# Altium PCB Flatsat.PcbDoc (part 2 of 2)
Units mm, origin at the board's own origin, x right, y up, seen from the top; angles counter-clockwise.
Board outline 98.55 x 99.06 mm, 2 copper layers (Top Layer, Bottom Layer), stack 1.621 mm thick; 111 components, 53 nets, 436 pads, 170 vias.
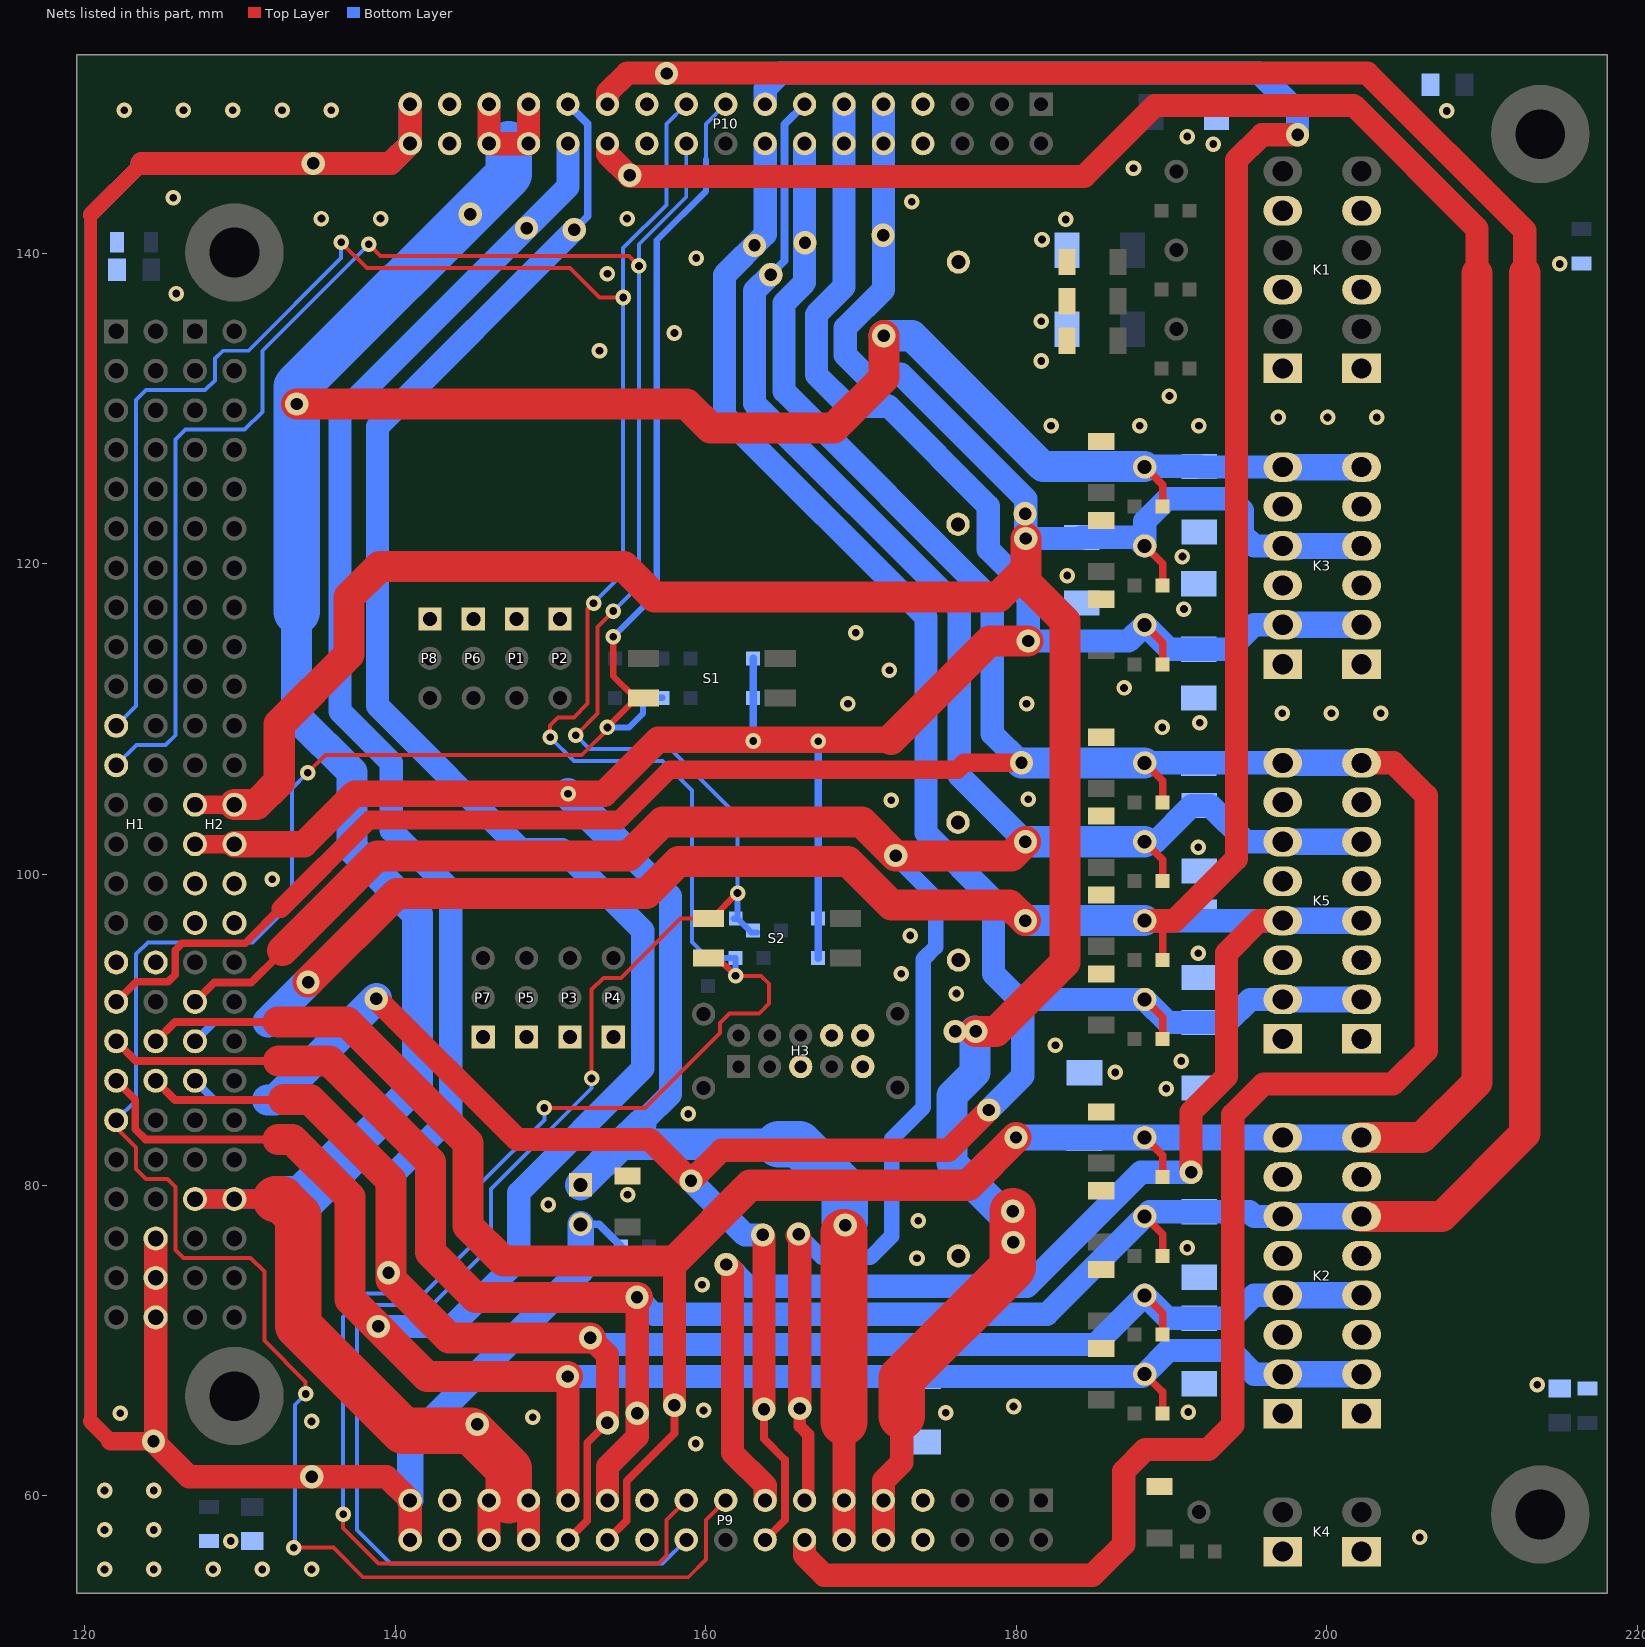
[diagram p2: the nets of this part, all layers, seen from the top]

## Via types
v1: diameter 1, hole 0.5, Top Layer to Bottom Layer, 114 vias
v2: diameter 1.5, hole 0.8, Top Layer to Bottom Layer, 55 vias
v3: diameter 1/1 (per signal layer), hole 0.5, Top Layer to Bottom Layer, 1 vias

## Nets (pads, with @x,y where several pads share a name; then routed paths per layer and width w, separated by ;. In a path a pad name is that pad's centre, name@x,y a point inside that pad or via, vN(x,y) a via of type N, cw(c..) or ccw(c..) an arc to the next point about the centre after c; other vN are vias at no path point) (continued)
PC-104_I2C-Bus_SDA: H1.41 P9.17 P10.17 R5.2 R10.1 S1.3 | length 170.4
  Top Layer w0.254: H1.41@122.035,84.175 122.035,83.705 123.317,82.423 123.317,81.026 123.952,80.391 125.349,80.391 125.857,79.883 125.857,75.819 126.365,75.311 130.683,75.311 131.572,74.422 131.572,69.977 134.239,67.31 v1(134.239,66.548) ; v1(133.477,56.642) 136.017,56.642 137.922,54.737 158.877,54.737 160.02,55.88 160.02,58.42 P9.17@161.29,59.69 ; v1(134.366,106.553) 135.509,107.696 152.019,107.696 153.67,109.347 v1(153.67,109.474)
  Top Layer w0.4: v1(153.67,109.474) S1.3@155.575,111.379 ; v1(154.051,115.316) 154.051,112.776 155.448,111.379 S1.3@155.575,111.379 ; S1.3@156.001,111.379 S1.3@155.575,111.379
  Bottom Layer w0.254: H1.41@122.035,84.175 123.317,85.457 123.317,94.869 124.079,95.631 130.81,95.631 133.35,98.171 133.35,105.537 v1(134.366,106.553) ; v1(133.477,56.642) 133.54,56.705 133.54,65.849 v1(134.239,66.548) ; 160.02,146.05 160.02,148.336 P10.17@161.29,149.606
  Bottom Layer w0.4: v1(153.67,109.474) 155.067,109.474 155.967,110.374 R5.2@155.967,111.379 R10.1@157.215,111.379 ; v1(154.051,115.316) 156.845,118.11 156.845,140.843 160.02,144.018 160.02,146.05
PC-104_I2C-Payload_SCL: H1.21 P9.19 P10.19 R8.2 R12.1 S2.3 | length 213.8
  Top Layer w0.254: v1(136.525,140.716) 138.176,139.065 151.257,139.065 153.162,137.16 v1(154.686,137.16) ; v1(136.652,58.801) 136.652,57.912 138.938,55.626 156.972,55.626 157.48,56.134 157.48,58.42 P9.19@158.75,59.69 ; v1(149.606,84.963) 156.083,84.963 160.909,89.789 160.909,90.424 161.544,91.059 163.449,91.059 164.084,91.694 164.084,92.964 163.576,93.472 v1(161.925,93.472) ; v1(149.987,108.839) 149.987,109.601 150.495,110.109 151.511,110.109 152.4,110.998 152.4,117.094 v1(152.781,117.475)
  Top Layer w0.4: S2.3@160.192,94.615 160.782,94.615 v1(161.925,93.472)
  Bottom Layer w0.254: H1.21@122.035,109.575 123.317,110.857 123.317,130.556 123.952,131.191 127.762,131.191 128.397,131.826 128.397,133.223 128.905,133.731 130.556,133.731 136.525,139.7 v1(136.525,140.716) ; v1(136.652,58.801) 136.652,71.501 138.176,73.025 141.859,73.025 145.542,76.708 145.542,80.137 149.606,84.201 v1(149.606,84.963) ; v1(149.987,108.839) 151.511,107.315 157.226,107.315 159.131,105.41 159.131,95.642 R8.2@160.147,94.626 ; v1(152.781,117.475) 154.686,119.38 v1(154.686,137.16) 154.686,140.335 157.48,143.129 157.48,148.336 P10.19@158.75,149.606
  Bottom Layer w0.4: R8.2@160.147,94.626 161.903,94.626 R12.1@161.914,94.615 161.925,94.604 v1(161.925,93.472)
PC-104_I2C-Payload_SDA: H1.23 P9.20 P10.20 R7.2 R11.1 S2.1 | length 201.7
  Top Layer w0.254: v1(138.303,140.589) 139.065,139.827 155.067,139.827 v1(155.702,139.192) ; v1(151.638,108.966) 153.035,110.363 153.035,115.951 v1(154.051,116.967) ; v1(152.654,86.868) 152.654,92.583 153.416,93.345 154.559,93.345 158.369,97.155 S2.1@160.192,97.155
  Top Layer w0.4: S2.1@160.192,97.155 160.379,97.155 162.03,98.806 v1(162.052,98.806)
  Bottom Layer w0.254: H1.23@122.035,107.035 123.331,108.331 125.222,108.331 125.857,108.966 125.857,128.016 126.492,128.651 130.302,128.651 131.445,129.794 131.445,133.731 v1(138.303,140.589) ; v1(151.638,108.966) 152.527,108.077 157.734,108.077 162.052,103.759 v1(162.052,98.806) ; v1(152.654,86.868) 152.654,86.233 146.177,79.756 146.177,76.073 142.367,72.263 138.557,72.263 137.541,71.247 137.541,57.785 139.7,55.626 157.226,55.626 P9.20@158.75,57.15 ; v1(154.051,116.967) 155.702,118.618 v1(155.702,139.192) 155.702,140.589 158.75,143.637 P10.20@158.75,147.066
  Bottom Layer w0.4: R7.2@161.809,97.155 R7.2@161.936,97.155 R7.2@162.052,97.155 ; v1(162.052,98.806) R7.2@162.052,97.155 ; R11.1@163.311,96.266 162.941,96.266 R7.2@162.052,97.155
PC-104_LCL_3V3: D1.K H2.27 H2.28 K3.2 P9.11 P9.12 P10.11 P10.12 P11.1 R1.1 R2.1 R3.1 R4.1 R14.1 TP11.1 | length 214.7
  Top Layer w0.5: TP11.1@188.276,116.078 189.43,114.924 R14.1@189.43,113.538
  Top Layer w1.2: H2.27@127.11,101.955 H2.28@129.65,101.955
  Top Layer w1.5: P9.12@168.91,57.15 P9.11@168.91,59.69 168.91,64.708
  Top Layer w1.7: H2.28@129.65,101.955 134.137,101.955 137.389,105.207 153.467,105.207 156.947,108.687 171.933,108.687
  Top Layer w2: 171.933,108.687 178.283,115.037 v2(180.772,115.037)
  Top Layer w3: 168.91,64.708 v2@168.91,76.962
  Bottom Layer w0.5: v1(163.057,108.596) R1.1@163.057,111.379 R2.1@163.057,113.919 ; R4.1@167.248,94.615 R3.1@167.248,97.155 v1(167.248,108.574)
  Bottom Layer w1.5: 155.067,101.27 157.734,98.603 157.734,85.852 156.083,84.201 155.829,84.201 ; P10.11@168.91,149.606 P10.12@168.91,147.066 168.91,137.846 167.132,136.068 167.132,132.182 169.164,130.15 171.78,130.15 178.206,123.723 178.206,120.955 180.746,118.415 180.746,117.678 180.772,117.653 v2(180.772,115.037) 187.235,115.037 TP11.1@188.276,116.078 189.848,114.506 D1.K@191.76,114.506 193.754,114.506 195.326,116.078 K3.2@197.166,116.078
  Bottom Layer w1.7: K3.2@197.166,116.078 K3.2@202.246,116.078
  Bottom Layer w2: v1(151.135,105.202) 155.067,101.27 ; P11.1@151.943,80.01 154.559,82.626 ; 155.829,83.896 154.559,82.626 ; 164.719,82.626 154.559,82.626
  Bottom Layer w3: 164.719,82.626 166.014,82.626 168.961,79.68 v2@168.961,77.673
  other v2: 168.986,77.419
PC-104_LCL_5V: D2.K H2.25 H2.26 K3.4 P9.9 P9.10 P10.9 P10.10 R15.1 TP10.1 | length 205
  Top Layer w0.5: TP10.1@188.276,121.158 189.43,120.004 R15.1@189.43,118.618
  Top Layer w1.2: H2.25@127.11,104.495 H2.26@129.65,104.495
  Top Layer w1.5: P9.10@171.45,57.15 P9.9@171.45,59.69 171.45,60.96 172.618,62.128 172.618,65.1
  Top Layer w2: H2.26@129.65,104.495 131.063,104.495 132.537,105.969 132.537,109.677 137.037,114.177 137.037,117.867 139.007,119.837 154.737,119.837 156.693,117.881 178.841,117.881 180.618,119.658 ; v2(177.394,89.891) 178.689,89.891 183.134,94.336 183.134,116.332 180.618,118.848 180.618,119.658 ; v2(180.618,121.639) 180.618,119.658
  Top Layer w3: 172.618,65.1 172.618,67.539 179.781,74.701 v2(179.781,78.308)
  Bottom Layer w1.5: P10.9@171.45,149.606 P10.10@171.45,147.066 171.45,137.668 168.986,135.204 168.986,133.457 170.211,132.232 172.568,132.232 180.618,124.182 v2(180.618,121.639) 184.147,121.639 D2.K@184.222,121.714 187.72,121.714 TP10.1@188.276,121.158 188.276,122.744 189.738,124.206 193.802,124.206 194.564,123.444 194.564,121.92 195.326,121.158 K3.4@197.166,121.158
  Bottom Layer w1.7: K3.4@197.166,121.158 K3.4@202.246,121.158
  Bottom Layer w2: v2@177.343,89.916 177.343,87.249 175.87,85.776 175.87,81.407 178.968,78.308 v2(179.781,78.308)
  other v2: 179.807,76.302 176.073,89.891 180.569,123.241 171.425,141.173
PC-104_LCL_CAMnadir_3V3: D11.K H2.37 K5.4 P9.15 P10.15 R24.1 TP13.1 | length 248.9
  Top Layer w0.5: 189.205,97.028 189.43,96.803 R24.1@189.43,94.488
  Top Layer w1.5: v2(161.315,74.879) 161.722,74.473 161.722,62.76 163.83,60.651 P9.15@163.83,59.69 ; TP13.1@188.276,97.028 189.205,97.028 190.195,97.028 194.183,101.016 194.183,145.999 195.834,147.65 v2(198.12,147.65) ; v2(191.262,80.823) 191.262,84.709 193.548,86.995 193.548,94.945 195.631,97.028 K5.4@197.166,97.028
  Top Layer w2: v2(134.391,93.066) 140.106,98.781 156.185,98.781 158.242,100.838 169.164,100.838 171.958,98.044 179.578,98.044 v2(180.594,97.028)
  Bottom Layer w0.5: H2.37@127.11,89.255 128.355,90.5 131.826,90.5
  Bottom Layer w1.5: v2(161.315,74.879) 162.712,73.482 180.696,73.482 188.036,80.823 v2(191.262,80.823) ; P10.15@163.83,149.606 163.83,150.622 164.821,151.613 195.656,151.613 198.12,149.149 v2(198.12,147.65) ; TP13.1@188.276,97.028 192.336,97.028 K5.4@197.166,97.028
  Bottom Layer w1.7: K5.4@197.166,97.028 K5.4@202.246,97.028
  Bottom Layer w2: 131.826,90.5 v2(134.391,93.066) ; v2(180.594,97.028) TP13.1@188.276,97.028
PC-104_LCL_CAMwing_3V3: D10.K H2.35 K5.6 P9.13 P10.13 R23.1 TP14.1 | length 193.6
  Top Layer w0.5: H2.35@127.11,91.795 128.355,93.04 130.734,93.04 132.499,94.805 ; TP14.1@188.276,102.108 189.43,100.954 R23.1@189.43,99.568
  Top Layer w0.8: v2(166.065,65.608) 166.065,64.465 166.599,63.932 166.599,59.919 P9.13@166.37,59.69
  Top Layer w1.5: v2(165.982,76.84) 165.887,76.745 166.065,76.567 v2(166.065,65.608)
  Top Layer w2: 132.74,95.098 138.836,101.194 155.042,101.194 157.226,103.378 170.053,103.378 172.237,101.194 179.68,101.194 v2(180.594,102.108)
  Bottom Layer w0.5: v2(164.186,138.633) 165.075,139.522 165.075,148.311 P10.13@166.37,149.606
  Bottom Layer w1: v2(165.982,76.84) 167.486,75.336 170.612,75.336 171.983,76.708 171.983,82.967 174.015,84.999 174.015,94.539 174.803,95.326 174.803,98.527 v2@172.009,101.321
  Bottom Layer w1.5: v2(164.186,138.633) 163.144,137.592 163.144,130.327 176.327,117.145 176.327,106.375 v2(180.594,102.108) ; TP14.1@188.276,102.108 188.976,102.108 191.31,104.442 D10.K@191.78,104.442 192.484,104.442 194.818,102.108 K5.6@197.166,102.108
  Bottom Layer w1.7: K5.6@197.166,102.108 K5.6@202.246,102.108
  Bottom Layer w2: v2(180.594,102.108) TP14.1@188.276,102.108
  other v2: 172.237,101.219
PC-104_LCL_SADSmain: D4.K H1.39 K2.2 P9.25 P10.25 R17.1 TP5.1 | length 208.8
  Top Layer w0.5: H1.39@122.035,86.715 123.266,85.484 123.266,83.591 123.927,82.931 132.461,82.931 ; TP5.1@188.276,67.818 189.43,66.664 R17.1@189.43,65.278
  Top Layer w1.5: P9.25@151.13,59.69 v2@151.13,67.742
  Top Layer w2: 132.461,82.931 133.375,82.931 137.084,79.223 137.084,72.644 142.062,67.666 v2(151.105,67.666)
  Bottom Layer w0.5: P10.25@151.13,149.606 152.4,148.336 152.4,142.392 v2(151.536,141.529)
  Bottom Layer w1.5: v2(138.913,70.891) 143.662,70.891 147.955,75.184 147.955,79.502 155.956,87.503 155.956,96.393 150.749,101.6 148.133,101.6 138.862,110.871 138.862,128.854 v2(151.536,141.529) ; v2(151.105,67.666) 188.124,67.666 TP5.1@188.276,67.818 189.8,69.342 193.802,69.342 195.326,67.818 K2.2@197.166,67.818
  Bottom Layer w1.7: K2.2@197.166,67.818 K2.2@202.246,67.818
PC-104_LCL_SADSred: D5.K H1.40 K2.4 P9.26 P10.26 R18.1 TP4.1 | length 192
  Top Layer w0.5: H1.40@124.575,86.715 125.819,85.471 132.791,85.471 132.817,85.496 ; P9.26@151.13,57.15 152.375,58.395 152.375,63.398 v2(153.67,64.694) ; TP4.1@188.276,72.898 189.43,71.744 R18.1@189.43,70.358
  Top Layer w1.5: v2(152.578,70.155) 153.67,69.063 v2(153.67,64.694)
  Top Layer w2: 132.817,85.496 134.518,85.496 139.725,80.289 139.725,73.914 143.485,70.155 v2(152.578,70.155)
  Bottom Layer w1.5: v2(139.573,74.346) 139.573,80.366 143.586,84.379 143.586,99.009 139.751,102.845 139.751,107.213 136.449,110.515 136.449,129.616 v2(148.463,141.63) 151.13,144.297 P10.26@151.13,147.066 ; v2(152.578,70.155) 153.01,69.723 185.101,69.723 TP4.1@188.276,72.898 189.752,71.422 D5.K@191.78,71.422 193.85,71.422 195.326,72.898 K2.4@197.166,72.898
  Bottom Layer w1.7: K2.4@197.166,72.898 K2.4@202.246,72.898
PC-104_LCL_SAILmain: D6.K H1.37 K2.6 P9.23 P10.23 R19.1 TP7.1 | length 246.1
  Top Layer w0.5: H1.37@122.035,89.255 123.304,87.986 132.486,87.986 ; TP7.1@188.276,77.978 189.43,76.824 R19.1@189.43,75.438
  Top Layer w1.5: P9.23@153.67,59.69 153.67,61.849 155.6,63.779 v2(155.6,65.303) v2@155.6,72.746 ; P10.23@153.67,149.606 153.67,150.343 154.94,151.613 202.616,151.613 212.75,141.478 212.75,138.76
  Top Layer w2: 132.486,87.986 135.763,87.986 142.265,81.483 142.265,75.667 145.186,72.746 v2@155.6,72.746 ; K2.6@202.246,77.978 207.416,77.978 212.75,83.312 212.75,138.76
  Bottom Layer w1.5: v2(155.575,72.771) 156.667,71.679 181.977,71.679 TP7.1@188.276,77.978 188.578,78.28 D6.K@191.78,78.28 195.024,78.28 195.326,77.978 K2.6@197.166,77.978
  Bottom Layer w1.7: K2.6@197.166,77.978 K2.6@202.246,77.978
  other v2: 157.48,151.587
PC-104_LCL_SAILred: D7.K H1.38 K2.8 P9.24 P10.24 R20.1 TP6.1 | length 240.2
  Top Layer w0.5: H1.38@124.575,89.255 125.82,90.5 132.461,90.5 ; P9.24@153.67,57.15 154.915,58.395 154.915,60.935 157.988,64.008 v2(157.988,65.811) ; TP6.1@188.276,83.058 189.43,81.904 R20.1@189.43,80.518
  Top Layer w1.5: P10.24@153.67,147.066 153.67,146.406 155.118,144.958 v2(155.118,145.034) 155.194,144.958 184.379,144.958 188.951,149.53 201.727,149.53 209.677,141.58 209.677,138.735 ; v2(157.988,65.811) 157.988,75.108
  Top Layer w2: 132.461,90.5 136.906,90.5 144.704,82.702 144.704,77.368 146.964,75.108 157.988,75.108 162.865,79.985 176.911,79.985 v2(179.984,83.058) ; K2.8@202.246,83.058 206.121,83.058 209.677,86.614 209.677,138.735
  Bottom Layer w1.7: v2(179.984,83.058) TP6.1@188.276,83.058 K2.8@197.166,83.058 K2.8@202.246,83.058
PC-104_LCL_SENS_5V: D8.K H1.35 K5.8 P9.14 P10.14 R21.1 TP15.1 | length 229
  Top Layer w0.5: H1.35@122.035,91.795 123.331,93.091 125.374,93.091 125.832,93.548 125.832,95.123 126.272,95.563 130.336,95.563 132.779,98.006 ; TP15.1@188.276,107.188 189.43,106.034 R21.1@189.43,104.648
  Top Layer w1.2: 132.639,97.79 138.354,103.505 154.432,103.505 157.683,106.756 176.225,106.756 176.657,107.188 v2(180.34,107.188)
  Top Layer w1.5: P9.14@166.37,57.15 166.37,56.134 167.64,54.864 184.912,54.864 186.919,56.871 186.919,61.57 188.316,62.967 192.38,62.967 193.954,64.541 193.954,84.531 195.936,86.512 204.267,86.512 206.4,88.646 206.4,105.08 204.292,107.188 K5.8@202.246,107.188
  Bottom Layer w1.5: P10.14@166.37,147.066 166.37,138.125 165.049,136.804 165.049,131.115 178.46,117.704 178.46,109.068 v2(180.34,107.188) ; TP15.1@188.276,107.188 K5.8@197.166,107.188
  Bottom Layer w1.7: K5.8@197.166,107.188 K5.8@202.246,107.188
  Bottom Layer w2: v2(180.34,107.188) TP15.1@188.276,107.188
  other v2: 166.395,140.691
PC-104_LCL_SunS_3V3: D9.K H2.39 K5.2 P9.16 P10.16 R22.1 TP12.1 | length 186.3
  Top Layer w0.5: v2(163.754,65.557) 163.754,63.652 165.1,62.306 165.1,58.42 P9.16@163.83,57.15 ; TP12.1@188.276,91.948 189.43,90.794 R22.1@189.43,89.408
  Top Layer w1.5: v2(138.786,91.998) 147.853,82.931 156.388,82.931 v2(159.055,80.264) 161.036,82.245 175.641,82.245 v2(178.226,84.83) ; v2(163.678,76.784) 163.754,76.708 v2(163.754,65.557)
  Bottom Layer w0.5: H2.39@127.11,86.715 128.354,85.471 131.775,85.471
  Bottom Layer w1.5: v2(159.055,80.264) 162.535,76.784 v2(163.678,76.784) ; P10.16@163.83,147.066 163.83,141.224 161.214,138.608 161.214,129.54 174.193,116.561 174.193,102.667 178.537,98.323 178.537,93.599 180.188,91.948 180.416,91.948 ; v2(178.226,84.83) 180.416,87.02 180.416,91.948 ; K5.2@197.166,91.948 195.072,91.948 193.596,90.472 D9.K@191.78,90.472 189.752,90.472 TP12.1@188.276,91.948 180.416,91.948
  Bottom Layer w1.7: K5.2@197.166,91.948 K5.2@202.246,91.948
  Bottom Layer w2: 131.775,85.471 132.259,85.471 v2(138.786,91.998)
  other v2: 163.144,140.513
PC-104_LCL_VBAT: D3.K H2.45 H2.46 K3.6 P9.27 P9.28 P9.29 P9.30 P10.27 P10.28 P10.29 P10.30 R16.1 TP9.1 | length 215.5
  Top Layer w0.5: TP9.1@188.276,126.238 189.43,125.084 R16.1@189.43,123.698
  Top Layer w1.2: H2.45@127.11,79.095 H2.46@129.65,79.095 132.284,79.095 132.309,79.07
  Top Layer w1.5: P9.30@146.05,57.15 P9.29@146.05,59.69 147.32,59.69 P9.27@148.59,59.69 P9.28@148.59,57.15 ; P10.29@146.05,149.606 P10.30@146.05,147.066 P10.28@148.59,147.066 P10.27@148.59,149.606
  Top Layer w2: v2(133.655,130.302) 158.775,130.302 160.325,128.753 168.25,128.753 171.475,131.978 v2(171.475,134.696)
  Top Layer w3: 132.309,79.07 132.69,79.07 133.756,78.003 133.756,70.942 140.513,64.186 144.856,64.186 147.32,61.722 147.32,59.69
  Bottom Layer w1.2: H2.45@127.11,79.095 H2.46@129.65,79.095 132.411,79.095
  Bottom Layer w1.5: TP9.1@188.251,126.263 TP9.1@188.276,126.238 188.324,126.286 D3.K@191.78,126.286 191.828,126.238 K3.6@197.166,126.238
  Bottom Layer w1.7: K3.6@197.166,126.238 K3.6@202.246,126.238
  Bottom Layer w2: 133.655,116.916 133.655,110.146 137.211,106.59 137.211,101.702 141.453,97.46 141.453,86.512 137.109,82.169 ; v2(171.475,134.696) 173.279,134.696 181.712,126.263 TP9.1@188.251,126.263
  Bottom Layer w3: 132.411,79.095 134.035,79.095 137.109,82.169 ; 133.655,116.916 v2(133.655,130.302) 133.655,131.42 147.32,145.085 147.32,147.015
  other v2: 145.288,64.592 144.831,142.519
PC-104_OBC_3V3: H1.48 H1.50 H1.52 P9.33 P9.34 P10.33 P10.34 P11.2 R32.1 | length 273.1
  Top Layer w0.8: 120.396,64.77 120.396,142.494
  Top Layer w1: 120.396,64.77 121.666,63.5 ; 120.396,142.494 123.698,145.796
  Top Layer w1.2: 121.666,63.5 v2(124.435,63.5)
  Top Layer w1.5: 123.698,145.796 v2(134.722,145.796) 139.7,145.796 P10.34@140.97,147.066 P10.33@140.97,149.606 ; H1.48@124.575,76.555 H1.50@124.575,74.015 H1.52@124.575,71.475 124.575,63.64 v2(124.435,63.5) 126.721,61.214 v2(134.62,61.214) 139.446,61.214 P9.33@140.97,59.69 P9.34@140.97,57.15
  Bottom Layer w0.5: P11.2@151.943,77.47 153.126,77.47 R32.1@154.548,76.048
  Bottom Layer w0.8: 120.396,142.494 120.396,64.77 121.666,63.5 v2@123.698,63.5
  Bottom Layer w1: 120.396,142.494 123.698,145.796
  Bottom Layer w1.5: 123.698,145.796 v2(134.722,145.796) 139.7,145.796 P10.34@140.97,147.066 P10.33@140.97,149.606
  Bottom Layer w1.7: P9.33@140.97,59.69 140.97,63.5 151.943,74.473 P11.2@151.943,77.47
PGND: C1.2 C2.2 C3.2 C4.2 D1.A D2.A D3.A D4.A D5.A D6.A D7.A D8.A D9.A D10.A D11.A D12.A D13.A D14.A H1.33 H1.34 H2.29 H2.30 H2.31 H2.32 H3.3 H3.5 H3.9 H3.10 K1.1 K1.3 K1.5 K2.1 K2.3 K2.5 K2.7 K3.1 K3.3 K3.5 K4.1 K5.1 K5.3 K5.5 K5.7 LED1.K LED2.K LED3.K LED4.K LED5.K LED6.K LED7.K LED8.K LED9.K LED10.K LED11.K LED12.K LED13.K LED14.K LED15.K LED16.K P1.1 P2.1 P3.1 P4.1 P5.1 P6.1 P7.1 P8.1 P9.7 P9.8 P9.21 P9.22 P9.31 P9.32 P10.7 P10.8 P10.21 P10.22 P10.31 P10.32 R25.2 R26.2 R27.2 R28.2 TP16.1 TP17.1 TP18.1 TP19.1 TP20.1
  other v1: 121.285,55.245 124.46,55.245 128.27,55.245 131.445,55.245 134.62,55.245 129.413,57.066 205.994,57.302 121.285,57.785 124.46,57.785 121.285,60.325 124.46,60.325 159.36,63.348 134.62,64.77 148.869,65.049 122.301,65.303 175.463,65.329 191.084,65.38 159.868,65.481 179.832,65.735 213.563,67.132 159.766,73.584 173.609,75.286 191.008,75.946 173.685,77.699 149.86,78.74 154.965,79.375 158.877,84.582 189.662,86.208 186.385,87.249 190.627,87.986 182.524,89.002 176.149,92.329 172.593,93.599 191.719,94.92 173.177,96.063 132.08,99.695 191.719,101.752 171.958,104.775 180.772,104.851 189.408,109.474 191.821,109.779 197.129,110.388 200.304,110.388 203.479,110.388 169.164,110.998 180.67,110.998 186.944,112.014 171.831,113.157 169.672,115.57 190.805,117.094 183.286,119.253 190.703,120.472 182.245,128.905 187.96,128.905 191.77,128.905 196.875,129.438 200.05,129.438 203.225,129.438 189.865,130.81 181.61,133.071 153.162,133.731 157.988,134.874 181.61,135.636 125.908,137.414 153.67,138.684 215.011,139.319 159.385,139.7 181.661,140.894 183.185,142.189 135.255,142.24 139.065,142.24 154.94,142.24 125.705,143.586 187.554,145.491 192.684,147.041 191.008,147.523 207.721,149.174 122.555,149.225 126.365,149.225 129.54,149.225 132.715,149.225 135.89,149.225
  other v3: 173.279,143.332
pads on no net: H1.1 H1.2 H1.3 H1.4 H1.5 H1.6 H1.7 H1.8 H1.9 H1.10 H1.11 H1.12 H1.14 H1.16 H1.18 H1.19 H1.20 H1.22 H1.24 H1.25 H1.26 H1.27 H1.28 H1.29 H1.30 H1.31 H1.32 H1.36 H1.42 H1.44 H1.45 H1.46 H1.47 H1.49 H1.51 H2.1 H2.2 H2.3 H2.4 H2.5 H2.6 H2.7 H2.8 H2.9 H2.10 H2.11 H2.12 H2.13 H2.14 H2.15 H2.16 H2.17 H2.18 H2.19 H2.20 H2.21 H2.22 H2.23 H2.24 H2.33 H2.34 H2.36 H2.38 H2.40 H2.41 H2.42 H2.43 H2.44 H2.47 H2.48 H2.49 H2.50 H2.51 H2.52 H3.0
copper on no net: | length 17.8
  Top Layer w0.5: 142.875,132.715 142.875,133.985 ; 142.875,135.255 142.875,136.525 ; 143.51,132.08 144.78,132.08 ; 143.51,134.62 144.78,134.62 ; 143.51,137.16 144.78,137.16 ; 145.415,132.715 145.415,133.985 ; 145.415,135.255 145.415,136.525 ; 146.685,132.715 146.685,133.985 ; 146.685,135.255 146.685,136.525 ; 147.32,132.08 148.59,132.08 ; 147.32,134.62 148.59,134.62 ; 147.32,137.16 148.59,137.16 ; 149.225,132.715 149.225,133.985 ; 149.225,135.255 149.225,136.525

## Polygon pours and split planes (outlines as drawn)
PGND on Top Layer "PGND" (solid, remove dead copper, pour order 0): 119.888,152.4 119.888,54.102 217.678,54.102 217.678,152.4
PGND on Bottom Layer "PGND" (solid, remove dead copper, pour order 2): 119.888,152.4 119.888,54.102 217.678,54.102 217.678,152.4

## Other copper
Top Layer:
  pour cut-out: 134.62,136.525 134.62,133.35 142.24,133.35 142.24,131.445 149.86,131.445 149.86,137.795 142.24,137.795 142.24,136.525
  region net PC-104_OBC_3V3: 133.452,147.066 132.436,145.796 133.452,144.526 135.992,144.526 137.008,145.796 135.992,147.066
  region net PC-104_LCL_5V: 179.567,120.574 181.669,120.574 181.669,124.054 179.567,124.054
  region net PC-104_LCL_5V: 175.158,91.313 175.158,88.9 178.791,88.9 179.718,89.827 179.718,91.313
  region net PC-104_OBC_3V3: 133.35,62.484 132.334,61.214 133.35,59.944 135.89,59.944 136.906,61.214 135.89,62.484
  region net PC-104_LCL_VBAT: 146.05,57.658 148.59,57.658 148.59,59.69 146.05,59.69
  text "S/N:" at 135.255,133.985 h2
Bottom Layer:
  region net PC-104_OBC_3V3: 135.992,147.066 137.008,145.796 135.992,144.526 133.452,144.526 132.436,145.796 133.452,147.066
  region net PC-104_LCL_5V: 175.158,91.03 175.158,88.9 178.562,88.9 178.562,91.03
  region net PC-104_LCL_5V: 178.156,79.527 178.156,75.438 180.797,75.438 180.797,79.527
  region net PC-104_LCL_VBAT: 145.39,147.066 149.25,147.066 149.25,149.855 145.39,149.855
  region net PC-104_OBC_3V3: 123.952,64.262 122.682,63.5 123.952,62.738 125.298,62.738 125.298,64.262

## Silkscreen, mask and mechanical layers (free items; w line width, h text height)
Top Overlay:
  drawing of 57 lines, arcs and shapes, not listed
  text "TOP" at 127,145.313 h1
  text "GND" at 208.596,142.748 h1
  text "GND" at 208.596,137.668 h1
  text "GND" at 208.596,132.588 h1
  text "Flatsat 1.01" at 138.684,127 h1
  text "2017" at 167.894,126.746 h1
  text "GND" at 208.596,123.698 h1
  text "GND" at 208.596,118.618 h1
  text "GND" at 137.922,115.824 h1
  text "GND" at 208.596,113.538 h1
  text "SCL" at 137.922,113.411 h1
  text "SDA" at 137.795,110.871 h1
  text "Pull-up" at 155.448,108.458 h1
  text "GND" at 208.596,104.648 h1
  text "wing" at 183.704,100.33 h1 r90
  text "Pull-up" at 161.29,99.949 h1
  text "GND" at 208.596,99.568 h1
  text "CAM" at 181.926,98.044 h1 r90
  text "nadir" at 183.958,94.996 h1 r90
  text "GND" at 208.596,94.488 h1
  text "SDA" at 140.843,93.675 h1
  text "SCL" at 140.97,91.008 h1
  text "GND" at 208.596,89.408 h1
  text "GND" at 140.945,88.392 h1
  text "red" at 183.958,81.534 h1 r90
  text "GND" at 208.596,80.518 h1
  text "Permanent 3V3" at 137.566,79.604 h1
  text "SAIL" at 181.926,78.74 h1 r90
  text "OBC Supply" at 140.386,77.114 h1
  text "main" at 183.958,75.946 h1 r90
  text "GND" at 208.596,75.438 h1
  text "red" at 183.958,71.628 h1 r90
  text "GND" at 208.596,70.358 h1
  text "SADS" at 182.18,68.326 h1 r90
  text "main" at 183.958,66.04 h1 r90
  text "GND" at 208.596,65.278 h1
  text "GND" at 209.423,54.229 h1
Bottom Overlay:
  lines w0.208: 119.939,60.477 133.223,60.477 133.223,147.828 130.759,147.828 119.964,147.828 ; 195.58,83.82 194.056,83.82 194.056,60.96 207.518,60.96 207.518,83.82 203.708,83.82 ; 195.58,107.95 194.056,107.95 194.056,85.09 207.518,85.09 207.518,107.95 203.708,107.95 ; 195.58,127 194.056,127 194.056,109.22 207.518,109.22 207.518,127 203.708,127 ; 195.58,146.05 194.056,146.05 194.056,128.27 207.518,128.27 207.518,146.05 203.708,146.05 ; 208.088,56.896 208.85,56.134 208.85,55.372 209.104,55.118 ; 208.088,59.436 209.042,59.436 212.09,62.484 ; 124.689,144.856 131.547,144.856 131.547,146.888 124.689,146.888 124.689,144.856 ; 136.398,74.447 136.398,81.89 157.556,81.89 157.556,74.447 136.398,74.447 ; 137.287,108.737 153.162,108.737 153.162,120.269 137.287,120.269 137.287,108.737 ; 139.7,87.122 139.7,98.552 156.845,98.552 156.845,87.122 139.7,87.122
  text "K1" at 209.804,147.574 h1
  text "BOTTOM" at 130.962,145.339 h1
  text "GND" at 211.328,142.748 h1
  text "EXTX" at 217.424,142.748 h1
  text "GND" at 177.8,141.224 h1
  text "EXTY+" at 213.106,140.208 h1
  text "GND" at 211.328,137.668 h1
  text "EXTY-" at 213.106,135.128 h1
  text "GND" at 211.328,132.588 h1
  text "K3" at 210.058,128.778 h1
  text "VBAT" at 212.09,126.238 h1
  text "GND" at 211.328,123.698 h1
  text "5V" at 210.312,121.158 h1
  text "GND" at 177.673,120.142 h1
  text "I2C_PLD" at 149.86,118.618 h1
  text "GND" at 211.328,118.618 h1
  text "3V3" at 211.328,116.078 h1
  text "GND" at 140.335,115.824 h1
  text "GND" at 211.328,113.538 h1
  text "SCL" at 140.589,113.411 h1
  text "SDA" at 140.462,110.871 h1
  text "K5" at 210.312,109.474 h1
  text "SENS" at 212.344,107.188 h1
  text "GND" at 177.648,105.131 h1
  text "GND" at 211.328,104.648 h1
  text "CAMwing" at 215.138,102.108 h1
  text "GND" at 211.328,99.568 h1
  text "CAMnadir" at 215.9,97.028 h1
  text "I2C_BUS" at 153.035,96.901 h1
  text "GND" at 177.8,96.266 h1
  text "GND" at 211.328,94.488 h1
  text "SDA" at 143.459,93.751 h1
  text "SunS" at 212.344,91.948 h1
  text "SCL" at 143.358,91.008 h1
  text "GND" at 211.328,89.408 h1
  text "GND" at 143.662,88.468 h1
  text "K2" at 210.312,85.344 h1
  text "SAILred" at 215.138,83.058 h1
  text "GND" at 211.328,80.772 h1
  text "Permanent 3V3" at 150.063,79.578 h1
  text "SAILmain" at 215.9,77.978 h1
  text "GND" at 177.546,77.216 h1
  text "OBC Supply" at 150.063,76.937 h1
  text "GND" at 211.328,75.438 h1
  text "SADSred" at 215.392,72.898 h1
  text "GND" at 211.328,70.358 h1
  text "SADSmain" at 215.646,68.072 h1
  text "GND" at 211.328,65.278 h1
  text "ANT_5V" at 217.17,62.738 h1
  text "K4" at 210.058,61.214 h1
  text "GND" at 212.09,54.229 h1
Top Solder:
  region: 142.367,137.668 142.367,131.572 149.733,131.572 149.733,137.668
  region: 134.874,136.398 134.874,133.604 142.367,133.604 142.367,136.398
  lines w1.5: 127.11,104.495 130.911,104.495 132.461,106.045 132.461,108.585 132.461,109.728 135.509,112.776 136.906,114.173 136.906,117.856 138.811,119.761 139.7,119.761 154.813,119.761 156.718,117.856 175.133,117.856 178.943,117.856 180.569,119.482 180.569,123.241 ; 171.45,57.15 171.45,60.96 172.593,62.103 172.593,64.77 172.593,67.437 179.781,74.625 179.781,78.308 ; 176.073,89.891 177.546,89.891 ; 177.394,89.891 178.664,89.891 181.864,93.091 ; 180.569,120.523 180.569,118.897 181.864,117.602 183.134,116.332 183.134,113.665 183.134,109.982
Bottom Solder:
  lines w1.5: 171.45,149.606 171.45,137.668 169.037,135.255 169.037,133.477 170.307,132.207 172.593,132.207 180.569,124.231 180.569,123.088 ; 176.073,89.891 177.394,89.891 177.394,87.224 175.895,85.725 175.895,81.407 179.705,77.597 ; 179.781,76.149 179.781,78.308 ; 180.594,121.662 180.594,123.444
Mechanical 5:
  the board outline again, w0.208

## Text inside footprints (layer, text, board x,y; h text height)
P9: Bottom Overlay "34" at 139.319,56.515 h1.27; Bottom Overlay "33" at 139.319,59.055 h1.27; Bottom Overlay "1" at 183.693,58.979 h1.27; Bottom Overlay "2" at 183.896,56.667 h1.27
P10: Bottom Overlay "34" at 139.319,146.304 h1.27; Bottom Overlay "33" at 139.573,148.844 h1.27; Bottom Overlay "1" at 184.023,148.844 h1.27; Bottom Overlay "2" at 184.277,146.304 h1.27